# KiCad board AmigaPCI Mainboard.kicad_pcb (continued)
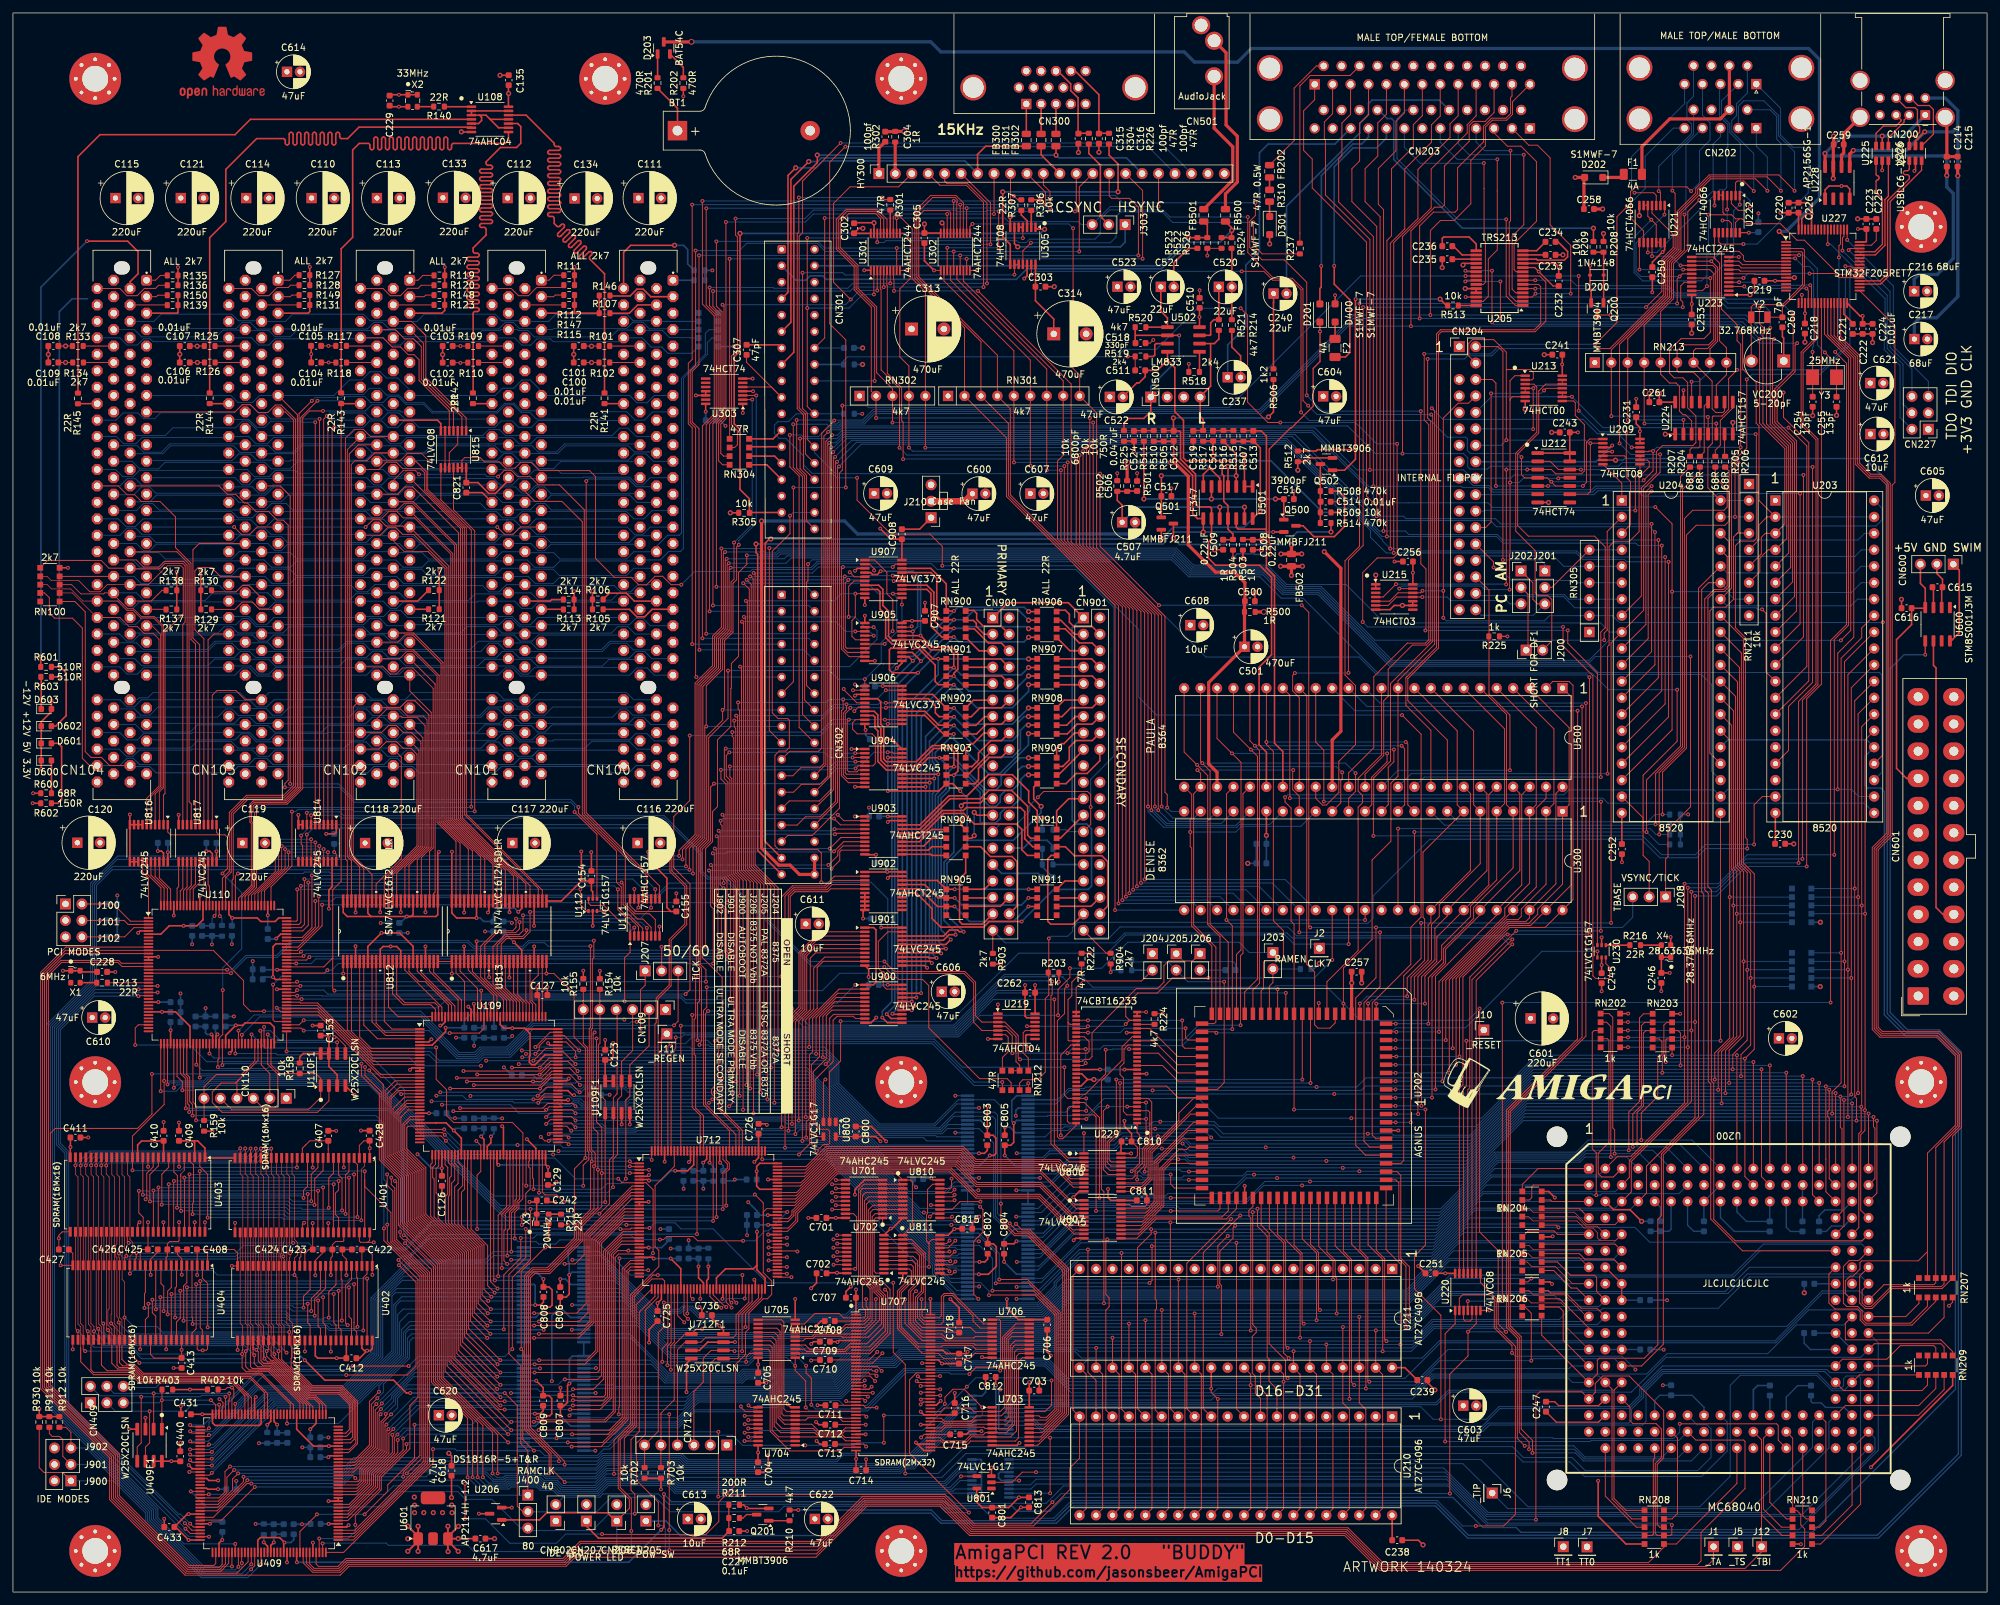
[diagram p0: board, top side]
## Routing (per net, layer and track width the routed paths; a pad name or vN(x,y) marks a point on that pad's centre or on a via; arc(x,y) is an arc through that point) (continued)
  Top w0.3: 67.16,7.87 v1(68.75,6.28) ; U601.3 67.16,6.27 ; U601.3 v1(67.16,10.16) ; U601.3 68.74,8.24 ; 67.16,8.54 v1(68.77,10.15)
  Bottom w0.15: C820.2 v2(49.6,114.25)
  Bottom w0.25: R153.1 v2(16.11,107.57) ; v2(86.64,76.72) 86.81,76.55 89.01,76.55 ; 153.79,14.62 155.32,14.62 v2(155.33,14.62) ; v2(34.4,87.51) 33.03,87.51 ; v2(71.16,90.83) 71.16,89.74 69.69,88.28 C130.1 v2(66.8,87.14) ; v2(114.88,55.62) C721.1 v2(116.6,56.7) ; C818.1 v2(56.89,101.78) ; v2(98.22,63.55) 100.04,63.55 101.54,65.05 v2(102.25,65.05) C722.1 ; 69.67,71.59 68.38,71.59 v2(68.06,71.27) ; v2(77.09,87.07) 75.87,87.07 ; v2(150.82,67.42) 149.25,65.85 U803.7 ; 75.73,101.96 v2(77.35,100.34) ; v2(82.62,65.62) 82.29,65.95 v2(74.95,65.95) ; U808.20 152.2,24.45 151.75,24.9 v2(151.75,31.89) ; 147.45,49.08 149.31,49.08 ; v2(98.94,51.5) v2(101.55,51.5) C723.1 ; v2(134.31,139.91) 133.16,139.91 ; v2(48.77,22.54) 47.66,22.54 ; C432.1 48.74,10.52 v2(48.75,10.53) ; v2(109.19,66.3) 109.68,65.82 C719.1 ; v2(33.86,104.09) 33.86,102.94 ; C819.1 75.73,101.2 75.01,100.48 v2(71.58,100.48) ; v2(40.15,94.96) 38.9,94.96 C147.1 ; v2(135.08,93.77) 133.69,93.77 ; v2(135.08,131.69) 135.07,131.7 C905.1 ; v2(81.91,48.33) 80.84,49.4 78.85,49.4 ; C901.1 v2(134.06,102.61) ; C822.2 23.91,114.23 v2(23.91,114.23) ; v2(41.93,7.65) 42.93,7.65 43.35,8.07 C435.1 ; v2(141.81,63.88) 140.64,63.88 ; v2(23.02,89.59) 24.28,89.59 ; U803.18 149.38,72.83 v2(150.44,71.77) ; C823.2 31.42,114.39 v2(31.43,114.38) ; v2(149.13,49.07) 149.12,49.08 U802.7 ; v2(82.28,43.99) 80.72,42.41 78.85,42.41 ; v2(82.24,27.21) 80.67,25.64 78.81,25.64 ; v2(114.82,64.97) 114.82,63.7 ; v2(26.36,102.88) C148.1 ; 78.81,32.63 v2(80.79,32.63) ; 147.45,56.06 149.44,56.06 v2(150.5,55)
+5V: length 547.6
  Top w0.15: 9.22,189.86 v1(8.13,189.86) C109.1 ; 90.48,189.86 v1(89.33,189.86) C100.1 ; 49.81,192.43 v2(48.72,192.43) C105.1 ; R125.2 28.47,192.41 v1(28.45,192.38) 28.42,192.41 C107.1 ; C108.1 v1(8.13,192.41) R133.2 ; C103.1 v2(69.09,192.41) R109.2 ; C104.1 v2(48.74,189.86) 49.81,189.86 ; R224.1 v2(177.51,89.31) ; C101.1 89.31,192.41 v1(89.33,192.38) 89.36,192.41 R101.2 ; RN207.5 299.48,44.76 v2(298.93,44.21) ; C106.1 v1(28.47,189.86) R126.2 ; C102.1 69.06,189.84 v2(69.09,189.81) 69.11,189.84 R110.2 ; 102.42,105.09 96.19,105.09 95.28,106 U111.16 ; U202.19 v2(201.61,90.94)
  Top w0.2: v2(230.75,147.57) 230.75,147.57 R225.1 ; 245.86,50.15 U200.81 U200.87 ; C247.1 238.31,26.23 244.8,26.23 U200.128 ; U222.14 v2(268.02,209.91)
  Top w0.25: U812.42 54.8,104.81 55.29,104.31 ; v2(129.99,119.77) 130,119.76 U903.1 ; RN206.5 237.32,47.89 v2(237.63,47.58) ; v2(3.05,121.81) 3.06,121.8 R600.1 ; 259.2,200.3 259.2,198.91 v2(259.21,198.9) 259.2,198.89 C253.1 ; v2(67.78,114.32) 67.77,114.31 U813.48 67.77,104.83 68.51,104.09 v2(71.57,104.09) 71.58,104.1 U813.42 ; v2(157.81,93.72) 157.81,89.32 ; v2(112.69,182.08) 112.68,182.09 U303.1 ; v2(89.47,154.56) 89.47,154.55 R105.1 ; 216.15,159.12 v2(216.15,157.4) 216.15,155.61 ; v2(60.8,104.31) 65.31,104.31 65.59,104.6 U812.25 65.59,114.14 v2(65.76,114.3) ; v2(60.8,104.31) 61.47,104.31 61.78,104.63 U812.31 ; v2(60.8,104.31) 55.29,104.31 ; U813.25 84.67,106.71 87.76,109.8 ; v2(85.88,48.96) 85.88,46 85.44,45.55 84.5,45.55 ; C250.1 253.12,205.35 254.68,206.91 v2(254.7,206.91) 254.7,206.93 255.02,207.25 U221.14 ; C238.1 212.95,11.85 ; 65.81,157.71 65.76,157.76 v2(65.83,157.76) 65.83,157.69 65.82,157.7 R122.1 R121.1 ; v2(85.91,32.19) 85.62,31.9 85.62,29.29 85.11,28.78 C807.1 ; 238.35,206.48 v1(239.31,206.49) ; v1(254.2,185.1) C261.2 U224.16 ; RN205.5 237.64,54.85 v2(237.73,54.94) ; R305.2 v1(110.76,166.65) ; v2(135.08,119.76) 135.08,119.76 U903.20 ; C239.1 214.91,34.65 U211.40 ; v2(78.03,105.04) 78.56,105.57 U813.31 ; CN103.A5 45.59,197.48 45.83,197.72 R131.1 R149.1 ; 25.47,200.24 25.47,197.58 25.38,197.48 CN104.A5 ; CN102.A5 66.25,197.48 66.66,197.89 R123.1 R148.1 ; v2(152.56,96.97) 152.56,96.96 151.3,96.96 ; v2(171.61,80.68) 173.55,80.68 ; C805.1 154.07,69 154.52,69.44 v2(154.52,72.41) ; 87.76,109.8 C154.1 89.31,108.35 89.52,108.14 U112.5 ; 87.76,109.8 87.76,114.35 v2(87.75,114.36) ; U209.13 U209.14 251.21,179.22 v2(251.2,179.23) 251.21,179.24 251.21,179.81 250.62,180.4 C231.1 ; R129.1 R130.1 29.01,157.61 v2(28.99,157.63) ; Q201.2 113.37,12.91 v2(113.3,12.97) 112.81,13.46 R212.1 ; R107.1 R146.1 ; v2(106.96,182.27) 106.96,183.48 ; 55.29,104.31 51.62,104.31 50.99,104.94 U812.48 ; v2(153.13,67.42) 153.13,68.95 ; RN202.10 v2(249.4,89.32) ; 153.03,52.22 v2(153.03,50.99) ; v1(251.46,57.25) 249.66,59.05 247.12,59.05 U200.38 ; U205.11 238.15,205.17 238.66,204.66 v2(238.67,204.66) C232.1 ; v2(241.62,179.07) C243.2 U212.13 ; v2(25.29,157.54) R138.1 R137.1 ; U205.25 U205.24 224.24,201.27 v1(224.23,201.28) ; R904.2 v2(169.48,95.7) ; D301.2 194.04,208.19 ; v2(238.06,60.92) 237.12,61.86 RN204.5 ; R147.1 R115.1 86.7,197.74 86.44,197.48 86.02,197.48 ; v2(156.15,202.82) 156.58,203.25 U305.12 ; U303.4 114.27,185.43 v2(114.28,185.42) ; v2(84.5,43.97) 84.5,45.51 ; C245.1 v2(245.29,96.82) U230.5 ; 137.24,111.21 v2(134.99,111.21) 134.97,111.19 U902.1 ; v2(167.84,80.69) 164.16,80.67 ; RN203.10 v2(257.42,89.29) ; v2(98.09,114.3) 98.09,113.11 100.97,110.23 100.97,105.7 101.57,105.09 102.42,105.09 ; U213.14 239.21,189.56 v2(239.2,189.57) 239.21,189.59 239.21,191.06 ; R113.1 v2(86.64,154.55) ; 248.41,115.58 U204.20 ; U212.1 U212.14 ; 86.02,197.48 90.52,197.48 ; 86.02,197.48 CN101.A5 ; U209.4 v2(246.93,176.1) ; RN100.5 v2(8.48,158.16) ; v2(84.53,27.2) 84.53,28.74 ; 272.12,115.59 272.12,120.26 ; U300.19 v1(193.53,116.84) ; R306.1 v1(158.61,214.99)
  Top w0.5: R500.1 v3(193.14,151.35) ; v1(281.05,218.28) 281.06,218.29 U228.7 281.06,223.47 ; v3(137.64,225.56) 137.63,225.55 R302.2 ; C257.1 206.69,94.06 v1(206.7,94.05) 206.69,94.04 U202.15 ; C258.1 242.56,218.33 ; v1(281.1,224.82) 281.12,224.8 C259.1 ; C304.1 136.18,225.51 ; D202.2 v1(241.22,218.44)
  Bottom w0.15: R223.1 R229.1
  Bottom w0.2: U200.143 282.75,28.51 279.88,28.51 279.19,29.2 277.86,29.2 277.62,29.44 C211.1 ; C212.1 281.41,47.6 ; U200.53 282.66,59.01 279.76,59.01 278.87,58.12 C202.1 ; C201.1 276.3,62.81 ; U200.41 254.38,59.41 C203.1 ; U200.107 U200.100 278.11,39.99 ; U200.46 266.18,58.7 267.65,57.23 C200.1 271.25,60.3 ; C209.1 271.27,27.3 ; v2(268.02,209.91) 269.49,209.91 ; U200.87 251.23,45.07 ; U200.131 253.48,29.59 254.27,30.38 C208.1 259.25,30.38 261.1,28.53 U200.134 ; U200.104 251.25,37.45 ; U200.27 U200.44 ; C204.1 261.08,60.29
  Bottom w0.25: U802.42 154.94,49.08 v2(153.03,50.99) 153.03,54.44 154.65,56.06 U802.31 ; C306.1 v2(106.96,182.27) ; RN101.5 111.26,192.33 v2(111.28,192.35) ; v2(153.13,67.42) 154.7,65.85 U803.42 ; 88.12,36.43 86.37,36.43 85.91,35.97 v2(85.91,32.19) 86.34,32.62 88.12,32.62 ; v2(78.03,105.04) 77.47,105.6 75.09,105.6 74.18,104.69 C816.1 72.68,103.55 72.14,104.09 v2(71.57,104.09) ; R308.2 v1(131.18,189.56) ; U805.48 89.91,21.83 v2(89.92,21.83) ; v2(169.48,95.7) 169.8,96.02 R229.1 ; v2(154.92,62.04) U803.48 U802.25 ; U803.31 154.94,72.83 v2(154.52,72.41) 154.21,72.72 154.21,75.88 154.98,76.64 U803.25 ; v2(134.99,111.21) 134.79,111.41 C902.1 ; 158.94,117.71 v1(158.94,119.52) ; RN201.5 v1(279.07,103.43) ; 88.12,25.63 86.09,25.63 v2(84.53,27.2) ; 133.74,119.77 135.06,119.77 ; 88.09,42.4 86.06,42.4 v2(84.5,43.97) 83.2,42.68 v2(83.2,32.57) ; v1(251.46,57.25) 252.84,57.25 ; R300.2 v2(131.13,181.94) ; U805.25 U804.48 ; 59.81,103.33 v2(60.8,104.31) ; v1(279.04,93.5) 279.04,93.5 RN200.5 ; 88.09,49.39 86.31,49.39 v2(85.88,48.96) 85.88,50.9 85.75,51.04 85.75,52.6 86.35,53.21 U804.25 ; v1(201.71,97.07) 200.85,96.21 RJ203.1 ; v1(193.53,116.84) C301.1 ; v2(167.84,80.69) C267.1 v2(171.61,80.68) ; v2(154.95,45.28) 154.96,45.27 U802.48
  vias: v1(194.03,208.18)
+12V: length 656
  Top w0.25: R601.1 4.29,144.41 v2(4.32,144.44) ; D400.2 v2(204.14,200.25) ; CN104.A2 18.08,202.33 19.31,203.56 19.31,206.99 17.7,208.6 v2(11.43,208.6) ; R503.1 v1(189.91,159.62)
  Top w1: J210.2 146.97,168.44 C600.1
  In3.Cu w0.25: 197.13,241.38 197.13,207.26 v2(204.14,200.25) 204.14,194.48 195.01,185.36 195.01,173.42 191.63,170.03 191.63,165.89 189.91,164.17 v1(189.91,159.62)
  In3.Cu w1: J210.2 129.06,181.14 129.06,196.62 126.13,199.55 ; 126.13,199.55 126.13,209.92 122.97,213.08 110.19,213.08 109.05,211.94 88.48,211.94 86.71,213.71 C134.1 ; 126.13,199.55 CN301.10
  In3.Cu w2: CN601.10 CN601.11 291.32,136.89 291.32,144.85 303.6,157.13 303.8,157.13 303.54,157.39 303.54,238.15 300.31,241.38 190.97,241.38 186.54,236.95 183.79,236.95 179.57,241.17 74.98,241.17 66.39,232.58 C133.1
  Bottom w0.25: v2(4.32,144.44) 4.32,201.49 v2(11.43,208.6)
-12V: length 596.5
  Top w0.2: R504.2 188.37,159.7 v2(188.38,159.69) ; D201.1 201.79,194.67 v2(201.81,194.65) 201.81,190.01 200.75,188.95 200.75,183.12 197.41,179.78 197.26,179.78 193.96,176.48 193.96,162.08 194.16,161.88 v2(194.16,160.22)
  Top w0.25: R603.2 v2(7.16,141.32)
  In2.Cu w0.2: 198.44,241.43 198.44,205.02 201.81,201.65 v2(201.81,194.65)
  In2.Cu w2: CN601.14 302.18,96.24 303.57,97.63 303.57,238.16 300.3,241.43 191.02,241.43 186.54,236.95 183.75,236.95 179.45,241.25 54.21,241.25 47.66,234.7 ; 47.66,234.7 47.61,234.75 C614.2 ; 47.66,234.7 29.42,216.46 C121.2
  Bottom w0.2: v2(194.16,160.22) 191.78,160.22 191.68,160.32 189.01,160.32 v2(188.38,159.69)
  Bottom w0.25: v2(7.16,141.32) 7.16,197.72 9.15,199.71 11.49,199.71
/Agnus Multiadapter/GND_PAL_NTSC: length 34.7
  Top w0.15: U202.41 185.97,77.62 187.01,78.66 v2(187.01,94.25)
  Bottom w0.15: v2(187.01,94.25) 181.39,94.25 J205.2 178.35,97.3 172.99,97.3
/HID and User Ports/+5VMOUSE: length 26.9
  Top w0.5: F1.2 251.51,223.19 255.81,227.48 263.61,227.48 CN202.16 CN202.7
/HID and User Ports/VBUS1: length 67
  Top w0.25: U225.5 288.61,224.82 v1(288.62,224.83) ; 279.79,222.14 v1(279.78,222.15)
  Top w0.5: C214.1 298.59,218.75 v1(298.58,218.74) ; U228.8 279.79,222.14
  Bottom w0.5: C216.1 293.54,202.72 294.27,203.45 297.11,203.45 299.59,205.93 299.59,215.96 298.58,216.97 v1(298.58,218.74) 298.58,221.23 298.05,221.76 280.17,221.76 v1(279.78,222.15) 282.46,224.83 v1(288.62,224.83) 292.02,224.83 CN200.1
/HID and User Ports/VBUS2: length 70
  Top w0.25: U226.5 293.75,224.06 v1(295.17,225.48)
  Top w0.5: v1(284.15,222.61) 283.6,222.06 U228.5 ; C215.1 300.25,218.73 v1(300.29,218.69)
  Bottom w0.5: CN200.5 298.35,230.7 300.29,228.76 300.29,226.25 ; C217.1 293.57,195.91 294.43,196.77 297.01,196.77 300.29,200.05 v1(300.29,218.69) 300.29,226.25 ; v1(284.15,222.61) 292.3,222.61 v1(295.17,225.48) 299.52,225.48 300.29,226.25
/Power and Spares/+5VSB: length 38.9
  Top w0.25: 293.15,151.92 295.25,151.92 295.25,155 294.51,155.74 CN600.3 ; C616.1 293.15,149.4 290.82,147.07 290.82,127.19 292.38,125.64 CN601.9
GND: length 1001.5
  Top w0.15: v2(19.63,37.47) 19.65,37.49 U404.41 ; v2(174.96,89.56) 174.96,89.56 U229.28 ; v2(263.96,211.8) 264.88,211.8 265.32,211.36 U222.12 ; v2(99.83,102.76) 99.84,102.75 U111.8 ; v2(266.47,206.16) 266.46,206.15 U223.10 ; v2(46.69,48.9) 46.68,48.91 U402.12 46.68,51.22 47.84,52.38 C424.2 ; U402.41 45.08,37.16 v2(45.09,37.15) ; U302.1 142.21,204.09 v2(142.21,204.09) ; 22.36,52.5 21.25,51.38 U404.12 21.25,48.99 v2(21.26,48.97) ; U301.10 137.97,204.09 v2(137.97,204.09) ; v2(46.28,65.55) 46.28,65.56 U401.12 ; U707.12 132.35,37.35 135.05,40.05 135.05,46.3 v2(134.64,46.7) ; v2(26.06,49) 26.04,49.01 26.04,51.49 25.38,52.15 25.38,52.9 C408.2 ; U227.18 v2(276.2,200.3) ; U807.19 172.42,59.83 172.72,59.53 174.81,59.53 175.08,59.8 C811.2 ; 54.61,54 53.69,54 53.48,54.2 U401.52 ; 54.61,54 54.78,54 55.08,54.3 U401.54 ; 54.61,54 v2(55.71,54) ; U707.6 131.56,40.35 133.23,42.01 v2(133.23,45.22) ; v2(29.63,57.1) 29.65,57.09 U403.54 ; v2(140.29,45.22) 140.29,45.22 140.29,43.81 140.01,43.53 140.01,42.52 140.68,41.85 U707.84 ; v2(24.81,34.6) 24.81,34.6 C413.2 ; U402.28 34.68,37.38 v2(34.69,37.38) ; U403.52 28.05,57.09 v2(28.06,57.1) ; U302.10 148.81,204.09 v2(148.81,204.09) ; v2(125.44,79.15) 125.14,78.85 U800.3 ; U401.6 51.08,65.58 v2(51.09,65.57) ; U402.46 49.08,37.13 v2(49.09,37.12) ; v2(31.89,29.79) 32.43,29.25 32.43,28.72 32.31,28.6 U409.69 ; v2(9.24,37.47) 9.25,37.49 U404.28 ; 28.44,38.95 28.44,37.51 28.63,37.32 v2(29.28,37.32) 29.84,37.32 30.04,37.53 30.04,38.95 ; U403.41 19.25,56.81 v2(19.53,57.1) ; U401.28 34.28,57 v2(34.28,57) ; 165.36,67.72 165.36,70.85 v2(165.36,70.85) ; C422.2 C423.2 50.86,52.02 51.48,51.41 U402.6 51.48,48.93 v2(51.49,48.93) ; v2(123.23,35.75) 123.32,35.84 C710.2 ; v2(20.86,65.68) 20.85,65.69 U403.12 ; v2(131.78,27.07) 131.5,27.35 U707.32 ; v2(48.69,56.97) 48.68,56.97 U401.46 ; U302.19 143.75,211.13 v1(143.45,211.43) ; U403.28 7.61,55.63 7.09,55.1 v2(7.09,54.62) C427.2 ; U806.19 173.31,67.07 173.61,67.37 173.61,68.69 C810.2 ; v2(23.24,57.1) 23.25,57.09 U403.46 ; U209.7 248.41,171.23 U204.1 ; C410.2 v2(23.26,72.57) ; v2(102.43,107.89) 102.42,107.88 C155.2 ; U401.41 44.68,56.77 v2(44.94,57.02) ; 38.76,84.75 38.76,87.25 v2(38.77,87.25) ; v2(25.66,65.68) 25.65,65.69 U403.6 ; U111.15 95.94,108.56 v2(95.94,108.57) ; v2(23.66,37.47) 23.65,37.49 U404.46 ; v2(137.73,45.22) 137.73,41.5 140.38,38.85 U707.78
  Top w0.2: C232.2 237.8,201.68 v2(235.58,203.9) 234.96,204.52 U205.10 ; C247.2 238.05,29.39 238.67,28.77 244.8,28.77 U200.122 ; v2(227.98,43.49) 227.98,43.49 U220.7
  Top w0.25: 72.97,8.25 74.34,8.25 ; C821.1 72.46,169.77 CN101.B28 ; C129.2 83.45,62.86 v2(83.91,63.32) ; C615.2 297.92,156.4 297.05,157.27 CN600.2 ; U814.9 U814.10 44.07,120 v2(44.07,120.01) ; v2(124,41.08) 124.77,41.85 C708.2 ; v1(166.9,79.14) 165.91,79.14 ; 165.91,79.14 165.01,80.04 U229.44 ; 165.91,79.14 164.9,78.13 U229.47 ; U110.86 40.76,93.09 v2(40.75,93.08) ; 81.91,45.56 81.91,44.75 81.47,44.31 v2(80.62,44.31) ; v2(154.95,54.17) 154.56,53.77 C804.2 ; v2(86.7,204.62) R111.2 R112.1 ; X2.2 59.6,229.36 v2(59.59,229.37) 59.58,229.36 58.33,229.36 ; 62.56,6.3 v1(62.55,6.29) ; v2(80.46,102.88) 80.47,102.88 U813.28 ; U109F1.4 95.25,72.2 v2(95.24,72.2) ; C701.2 122.81,57.77 v2(122.8,57.77) ; U109.14 U109.13 61.6,80.94 v2(61.3,80.64) ; v2(19.33,101.79) 19.63,102.09 U110.5 ; v2(69.67,104.93) 69.67,104.93 U813.45 ; v2(243.5,204.83) D200.2 243.5,201.06 243.68,200.88 Q200.2 ; R128.1 v2(45.83,204.63) ; v2(142.21,204.09) 140.73,205.57 C305.2 ; v2(27.14,19.6) 27.7,19.04 U409.86 ; v1(265.55,180.6) 265.54,180.59 U224.8 ; U816.13 U816.11 U816.10 ; C907.2 v2(140.82,152.78) ; U816.10 v2(18.05,120.06) ; U816.10 U816.7 ; v2(33.46,83.2) 33.84,83.58 U110.59 ; 82.43,60.23 83.66,60.23 v2(83.69,60.25) ; U303.7 v2(114.21,187.38) ; C108.2 v1(5.46,191.11) C109.2 ; C715.2 147.22,24.35 147.71,24.84 v2(149.54,24.84) ; C500.2 v1(191.76,154.38) ; C803.2 150.44,68.19 150,67.75 v2(149.16,67.75) ; U219.9 156.51,86.06 156.38,85.93 156.38,84.34 v1(156.83,83.89) ; U707.58 142.56,28.85 v2(143.24,29.52) ; v2(80.58,27.55) 81.42,27.55 81.86,27.99 81.86,28.79 ; v2(124,26.27) 124.43,25.84 C712.2 ; C226.1 C220.2 277.18,214.54 277.7,214.02 277.7,212.85 v2(277.71,212.84) ; v2(151.08,19.22) 151.08,19.22 U801.3 ; v2(98.15,60.26) 98.09,60.2 U712.13 U712.14 ; v2(98.22,38.53) 98.22,40.55 C725.2 ; v2(135.08,110.25) 135.37,110.54 U902.19 ; v2(171.61,72.76) 171.61,71.9 172.71,70.8 C810.2 ; v2(17.89,25.16) 17.9,25.15 U409F1.4 ; R203.2 161.49,94.25 v2(161.48,94.24) ; v2(54.69,37.27) 53.52,36.11 C412.2 ; v2(54.69,37.27) 54.25,37.27 53.88,37.64 U402.52 ; v2(54.69,37.27) 55.18,37.27 55.48,37.58 U402.54 ; U813.10 73.48,94.99 v2(73.54,94.93) ; C714.2 v2(131.72,20.5) ; 132.45,204.11 131.48,204.11 131.49,204.1 v2(131.44,204.1) 131.44,204.15 131.48,204.11 ; C228.2 v2(15.8,95.76) ; v2(277.71,212.84) 277.7,212.83 U227.60 ; v2(277.71,212.84) 276.96,212.84 276.2,212.08 U227.63 ; U409.103 v2(30.4,10.54) ; R136.1 R135.2 v2(25.48,204.57) ; v2(109.54,45.27) 109.62,45.35 U712.59 ; U219.13 156.54,88.66 156.26,88.94 156.26,93.89 v2(156.26,93.72) ; C154.2 89.31,114.23 v2(89.29,114.25) ; U812.10 56.71,99.24 57.15,99.69 v2(58.3,99.69) 59.24,99.69 59.88,99.05 U812.15 ; U229.27 U229.28 ; v2(120.78,45.25) 120.77,45.24 U705.10 ; X4.2 255.95,101.14 v2(255.95,101.15) ; C219.2 268.89,200.96 268.24,200.3 268.23,200.3 v1(268.2,200.33) 268.18,200.3 U223.1 ; U109.132 70.73,89.97 v2(70.31,90.39) ; v2(130,61.36) 130,62.15 131.47,63.62 U701.10 ; C127.2 v2(82.51,93.44) ; 273.62,115.54 274.94,115.54 v1(274.95,115.53) ; 233.49,183.92 233.49,182.64 v1(233.5,182.62) ; U813.39 73.48,105.08 v2(73.35,104.95) ; C246.2 v2(254.51,92.78) ; v2(163.77,54.32) 164.08,54.63 U807.10 ; U813.15 76.66,94.9 v2(76.65,94.89) ; 60.97,8.24 v1(60.96,8.23) ; v2(104.38,66.4) 104.62,66.64 U712.132 ; v2(155.4,23.02) 155.04,22.66 U703.10 ; U226.2 293.75,219.59 293.6,219.44 v2(293.59,219.44) ; U202.58 v2(190.18,62.73) ; C303.2 v1(160.78,201.57) ; R120.1 R119.2 66.66,204.58 v2(66.67,204.59) ; C106.2 v1(25.76,191.13) C107.2 ; v2(4.36,127.11) 4.37,127.11 D602.1 4.37,134.38 5.94,135.96 D603.2 5.94,137.68 v2(5.96,137.7) ; C707.2 128.61,46.41 v2(129.37,47.17) ; v2(82.71,54.53) 82.72,54.53 X3.2 ; U812.28 v2(63.69,104.97) ; 76.5,234.22 v1(75.2,234.22) ; v2(48.78,105.53) 48.78,108.42 49.28,108.91 U814.19 ; C801.2 154.05,11.5 v2(155.63,13.08) 155.63,13.07 C813.2 ; U409.140 v2(46.31,7.63) ; v2(105.45,184.78) U303.12 U303.11 ; U813.34 76.66,104.98 v2(76.66,104.98) ; U409.5 51.54,10.04 v2(51.82,10.32) ; 52.9,97.37 52.9,99.7 v2(52.89,99.71) ; v2(119.6,29) 120.09,28.51 U704.10 ; v2(134.81,69.6) 134.81,69.61 132.53,71.89 C800.2 ; v2(65.98,87.48) 66.16,87.48 66.73,88.05 U109.140 ; C440.1 25.83,23.05 v2(25.84,23.06) ; C235.2 v1(220.68,204.52) ; C431.2 25.93,28.7 v2(25.92,28.71) ; U707.86 v2(141.66,45.27) ; C716.2 v2(145.41,30.74) ; U206.3 71.95,12.09 ; C713.2 124.55,22.85 v2(124.08,23.32) ; U110.140 24.84,104.48 v2(24.83,104.47) ; 153.13,70.55 153.13,71.76 v2(153.14,71.77) ; U202.82 v2(213.9,71.27) ; U906.10 131.53,133.24 v2(131.65,133.12) ; C223.2 C225.1 ; C104.2 v2(46.05,191.16) 46.05,192.41 ; v1(237.1,168.25) 237.1,168.25 U212.7 ; v2(133.07,143.8) 133.06,143.79 U905.10 ; C706.2 159.69,37.08 v2(160.25,36.52) ; C717.2 143.46,35.27 v2(143.45,35.28) 142.88,35.85 U707.72 ; 129.94,211.44 v1(132.95,211.44) 132.95,209.83 ; v2(69.66,99.69) 69.67,99.67 U813.4 ; v2(135.08,118.91) 135.28,119.11 U903.19 ; C123.1 v2(91.44,85.25) ; U215.10 U215.9 v1(214.53,152.35) 213.26,152.35 212.61,151.7 U215.7 ; v2(248.43,112.7) 248.42,112.71 C252.1 ; C407.2 49.9,71.22 v2(49.91,71.22) ; v2(56.71,104.97) 56.71,104.97 U812.39 ; C103.2 v1(66.34,191.08) C102.2 ; U712.103 v2(116.57,63.7) ; 62.56,10.15 v1(62.55,10.16) ; U812.34 v2(59.88,104.97) ; U222.7 v2(262.72,214.1) ; 297.8,151.92 297.8,155 ; v2(116.4,72.14) 116.24,72.3 C726.2 ; C315.2 164.51,222.3 v1(164.51,222.3) ; v2(25.63,72.49) 25.63,72.49 C409.2 ; U230.2 v2(245.29,101.09) ; C227.2 v2(113.35,9.41) ; v2(82.62,84.74) 82.92,84.44 U109.103 ; C224.2 v1(287.12,192.94) ; U409.132 v2(42.31,4.59) ; v2(171.96,86.38) 171.97,86.39 U229.23 ; C618.1 67.72,21.01 v1(67.3,21.43) ; C260.2 273.2,193.84 273.4,193.64 VC200.1 ; U806.10 164.63,61.88 v2(163.72,60.96) 164.19,60.49 U807.1 ; U902.6 U902.10 131.26,105.07 v2(131.26,104) ; 238.82,179.07 v1(237.57,179.07) ; U707.44 140.65,21.85 v2(139.42,23.08) 139.65,22.85 U707.46 ; J210.1 139.99,164.13 C908.2 ; U110.14 U110.13 v2(22.42,98.09) ; R208.2 245.57,209.77 v1(245.58,209.78) ; U707.38 v2(131.65,24.35) ; U900.10 132.5,87.91 v2(133.3,88.71) ; v2(152.07,90.73) 152.08,90.72 U219.1 ; 84.53,30.33 84.53,31.55 ; v2(98.2,64.4) 98,64.2 U712.5 ; U224.15 257.92,185.57 v2(257.93,185.58) ; C316.2 v1(167.67,222.32) ; C307.2 118.2,192.59 CN301.13 ; v2(149.19,57.97) 148.12,56.89 148.12,56.11 ; v2(40.65,100.91) 41.33,101.59 U110.103 ; v1(219.54,31.21) 218.38,32.37 C239.2 ; U227.12 v1(275.05,202.97) ; v2(144.75,45.22) 146.1,43.87 C718.2 ; C811.2 175.08,61.21 v2(174.55,61.75) ; U221.7 v1(251.12,212.54) ; C261.1 v1(252.65,185.1) ; v1(210.41,157.04) 210.41,157.04 U215.2 ; v2(116.61,21.11) 116.61,19.21 115.91,18.51 C704.2 ; v2(46.26,87.48) 46.26,87.47 C153.1 ; U225.2 v2(288.61,219.54) ; U707.52 v2(140.16,25.85) ; 51.32,78.17 v2(52.73,76.77) ; v2(175.03,80.04) 175.03,80.04 U229.13 ; C709.2 123.6,38.66 v2(123.26,38.32) ; v2(130.02,124.34) 130.03,124.33 U904.10 ; v1(259.19,194.38) 259.2,194.39 C253.2 ; U109.5 64.2,84.94 v2(64.61,85.35) ; 52.9,106.7 52.9,104.94 v2(52.9,104.94) ; v2(132.12,94.97) 132.12,96.16 U901.10 ; v1(69.24,225.48) 69.26,225.46 U108.7 ; C101.2 v1(86.59,191.11) C100.2 ; U810.10 135.75,56.12 v2(135.51,56.12) 134.48,55.09 ; v2(29.87,114.4) 30.4,114.4 30.78,114.02 U817.19 ; C238.2 216.99,8.01 v1(217.72,7.28) ; U205.18 224.17,205.17 223.92,204.92 v1(223.9,204.92) ; U409.14 U409.13 48.73,14.04 v2(48.72,14.03) ; U712F1.4 104,35.3 v2(104,30.88) ; U811.10 137.4,48.14 v2(137.4,48.14) ; v1(153.97,212.38) 153.98,212.37 U305.7 ; v2(149.16,74.76) 149.16,74.71 ; U706.10 149.7,36.19 v2(149.63,36.27) ; C241.1 v1(236.43,191.07) ; 53.72,71.25 v2(53.74,71.26) 53.75,71.25 C428.2 ; U712.140 100.62,66.47 v2(100.62,66.46) ; U907.10 v2(131.53,152.42) ; v2(22.37,114.42) 22.93,114.42 23.25,114.1 U816.19 ; U817.10 v2(25.58,120.03) ; v2(85.72,76.02) 85.64,75.94 U109.86 ; C222.2 287.12,194.27 ; C616.2 291.6,153.28 v1(291.59,153.29) ; C231.2 250.62,184.24 v2(250.63,184.25) ; C245.2 v2(245.29,92.77) ; v2(75.54,71.93) 75.73,71.73 U109.59 ; C711.2 v2(124.22,28.84) ; v2(150.18,31.96) 150.18,33.2 ; v2(123.24,46.9) 124.07,47.74 C702.2 ; v2(80.48,99.69) 80.47,99.67 U813.21 ; U712.86 v2(116.62,55.2) ; v2(253.11,200.7) 253.12,200.71 C250.2 ; 286.17,212.04 284.83,212.04 ; 218.08,49.22 v2(216.97,50.33) ; v2(133.25,113.86) 131.58,113.86 ; v2(79.35,69.92) 80.73,68.54 U109.69 ; C255.2 v1(281.56,181.7) ; v2(116.34,32.32) 116.31,32.31 C705.2 ; C736.1 106.38,43.62 v2(106,44) ; v2(48.36,117.08) 49.67,117.08 49.93,117.33 U814.1 ; C256.1 v2(213.31,159.13) ; v2(37.49,30.11) 37.31,29.93 U409.59 ; U219.7 v2(150.54,85.41) ; C411.2 11.62,70.19 v2(11.63,70.2) ; C703.2 v2(158.46,32.38) ; 150.5,52.22 150.5,51.42 150.06,50.98 v2(149.22,50.98) ; U110.132 v2(28.84,107.54) ; U112.2 v2(89.52,102.88) ; U815.7 66.07,180.42 65.53,180.96 CN102.A18 ; U712.69 114.62,48.08 v2(114.47,48.22) ; 84.5,47.1 84.5,48.31 ; C218.2 v1(276.68,193) ; C433.2 v2(23.36,11.31) ; C254.2 v1(277.88,181.66) ; C126.2 v2(66.23,61.47) ; U812.21 v2(63.69,99.69)
  Top w0.3: 62.56,8.58 v1(60.97,10.17) ; U601.1 62.56,6.3 ; U601.1 60.97,8.24 ; U601.1 62.56,10.15 ; 62.56,7.88 v1(60.97,6.29)
  Top w0.5: FB502.2 v1(199.09,158.4) ; FB502.2 v1(197.4,156.98) ; FB502.2 v1(195.72,158.4) ; U228.6 282.33,221.89 282.67,222.23 C259.2 282.67,225.2 CN200.9 ; C257.2 v1(208.24,94.05) ; HY300.1 133.7,222.98 C304.2 ; 298.59,227.47 C214.2 300.25,221.66 ; C258.2 v1(245.45,213.56)
  Bottom w0.15: C213.1 188.75,97 188.38,97.37 180.81,97.37 J205.1 ; C904.2 132.19,121.12
  Bottom w0.2: C201.2 274.46,55.68 273.8,56.34 U200.49 ; C212.2 v1(276.58,46.21) ; C202.2 279.95,55.68 280.78,56.51 282.7,56.51 283.96,57.77 ; C205.2 C203.2 255.69,55.71 256.02,56.04 U200.42 ; C210.2 276.56,38.43 277.53,37.45 U200.106 ; U200.45 263.64,57.82 265.78,55.68 C200.2 ; C204.2 259.51,55.7 258.56,56.65 U200.43 ; U200.139 273.8,30.11 275.57,31.88 C211.2
  Bottom w0.25: 149.54,16.57 v2(149.54,14.86) 149.3,14.62 148.06,14.62 ; 149.54,16.57 149.54,16.56 U809.4 ; 149.54,16.57 149.54,17.87 ; U802.21 v2(149.19,57.97) ; C132.2 68.26,73.14 v2(68.24,73.17) 67.71,73.17 C124.2 ; v2(113.35,55.1) 113.32,55.12 C724.2 ; C148.2 v2(27.67,100.03) ; C719.2 111.25,63.5 v2(111.45,63.7) C720.2 ; v2(155.35,17.21) 155.35,17.21 U809.16 152.6,17.21 152.16,17.65 152.17,17.66 152.17,18.27 152.42,18.51 U809.14 ; 77.02,79.81 v2(75.8,81.03) ; v2(149.16,63.95) 149.15,63.94 U803.4 ; C130.2 68.43,85.59 v2(68.41,85.61) ; R104.1 v2(107.99,204.09) ; U802.45 155.02,47.18 v2(154.96,47.12) ; C820.1 48.37,117.07 v2(48.36,117.08) ; U802.28 v2(154.91,57.97) ; C727.2 v2(99.98,56.05) ; U809.10 149.44,20.46 149.54,20.37 149.54,17.87 ; 149.54,17.87 149.54,17.87 U809.6 ; C429.2 34.49,17.13 v2(34.47,17.15) ; C146.2 34.11,88.88 v2(34.12,88.89) ; C128.2 92.11,76.8 v2(92.12,76.79) ; R103.2 106.81,204.08 ; C902.2 133.24,113.85 v2(133.25,113.86) ; v2(77.08,85.86) 76.8,85.58 C131.2 ; 88.12,23.74 83.94,23.74 v2(83.93,23.74) U805.4 ; v2(81.94,40.49) 81.92,40.51 U804.4 ; U802.34 154.96,54.16 v2(154.95,54.17) ; U803.34 154.8,70.93 153.96,71.77 v2(153.14,71.77) ; v2(131.65,133.12) 131.65,132.34 C905.2 ; C207.2 254.85,37.45 v2(254.87,37.43) ; C901.2 v2(131.26,104) ; U803.21 149.14,74.74 v2(149.16,74.76) ; CN900.30 156.02,114.88 157.22,116.08 159.67,116.08 160.59,115.16 160.59,114.67 ; v2(40.65,100.91) 40.58,100.84 C141.2 ; C434.2 44.69,22.35 v2(44.68,22.34) ; C306.2 109.17,180.92 v2(110.01,180.08) ; C435.2 v2(44.62,10.47) 44.67,10.52 C432.2 ; v2(132.12,94.97) 132.12,94.97 C900.2 ; v2(150.18,31.96) 150.18,30.85 149.63,30.3 U808.10 ; C208.2 v2(254.75,31.93) ; C722.2 103.53,62.3 v2(103.55,62.27) ; v2(149.22,50.98) 149.21,50.99 U802.10 ; 88.09,47.49 86.16,47.49 85.32,48.32 v2(84.5,48.32) ; v2(86.37,51.3) 86.38,51.31 U804.28 ; v2(130.01,140.14) 130.3,139.85 C906.2 ; v2(60.96,101.8) 60.94,101.78 C817.2 ; C814.2 138.99,62.96 v2(139.45,62.5) ; 78.85,44.32 80.62,44.32 v2(80.62,44.31) 80.62,47.34 80.47,47.5 78.8,47.5 ; U804.21 76.94,51.31 v2(76.93,51.3) ; v2(152.47,31.28) 152.2,31.01 152.2,25.2 152.3,25.1 U808.19 ; R312.1 R303.1 258.65,120.07 v2(258.65,120.07) ; v2(149.16,67.75) 149.15,67.75 U803.10 ; C147.2 37.01,97.42 v2(37.02,97.43) ; C430.2 45.91,22.34 ; U803.45 158.58,63.94 v2(158.59,63.95) ; v2(149.18,47.18) 149.18,47.18 U802.4 ; v2(154.98,67.76) 154.99,67.75 U803.39 ; C421.2 48.71,23.87 v2(48.72,23.88) ; v2(154.99,50.99) 156.72,50.99 ; C823.1 v2(29.87,114.4) ; v2(77.03,103.33) 76.81,103.55 C819.2 ; v2(90.01,34.59) 89.96,34.53 U805.28 ; U805.34 89.96,30.72 v2(89.97,30.74) ; C822.1 22.37,114.42 v2(22.37,114.42) ; v2(86.33,44.33) 86.34,44.32 U804.39 ; v2(80.58,27.55) 80.57,27.55 78.81,27.55 ; v2(81.37,34.54) 81.37,34.53 U805.21 ; C818.2 56.79,103.33 v2(56.78,103.32) ; U805.39 86.21,27.55 v2(85.92,27.26) ; C723.2 v2(101.55,53.05) ; v2(72.89,102.01) 72.9,102 C816.2 ; U804.45 v2(86.28,40.51) ; v1(190.65,112.52) 190.66,112.53 C301.2 C300.2 ; v2(154.84,73.54) 154.84,74.36 155.22,74.74 U803.28 ; v2(145.5,70.94) 145.51,70.93 U803.15 ; C420.2 30.7,10.84 v2(30.4,10.54) ; C249.2 269.49,212.89 v2(269.5,212.9) ; C143.2 25.87,92.43 v2(25.86,92.44) ; v1(166.9,79.14) 166.9,79.13 C267.2 ; v2(76.9,30.73) 76.91,30.72 U805.15 ; 129.85,192.11 v1(131.19,192.11) ; C209.2 269.37,31.89 268.72,31.24 U200.137 ; C144.2 v2(33.8,100.04) ; v2(255.39,45.06) 255.37,45.08 C206.2 ; U802.15 v2(149.15,54.16)
  vias: v1(74.35,8.24) v1(284.82,212.05) v2(71.94,12.1) v2(84.53,31.56) v2(132.18,121.13)
